# Altium PCB FPGA扩展板.PcbDoc
Units mil, origin at the board's own origin, x right, y up, seen from the top; angles counter-clockwise.
Board outline 3937.01 x 3937.01 mil, 2 copper layers (Top Layer, Bottom Layer); 128 components, 142 nets, 546 pads, 65 vias.
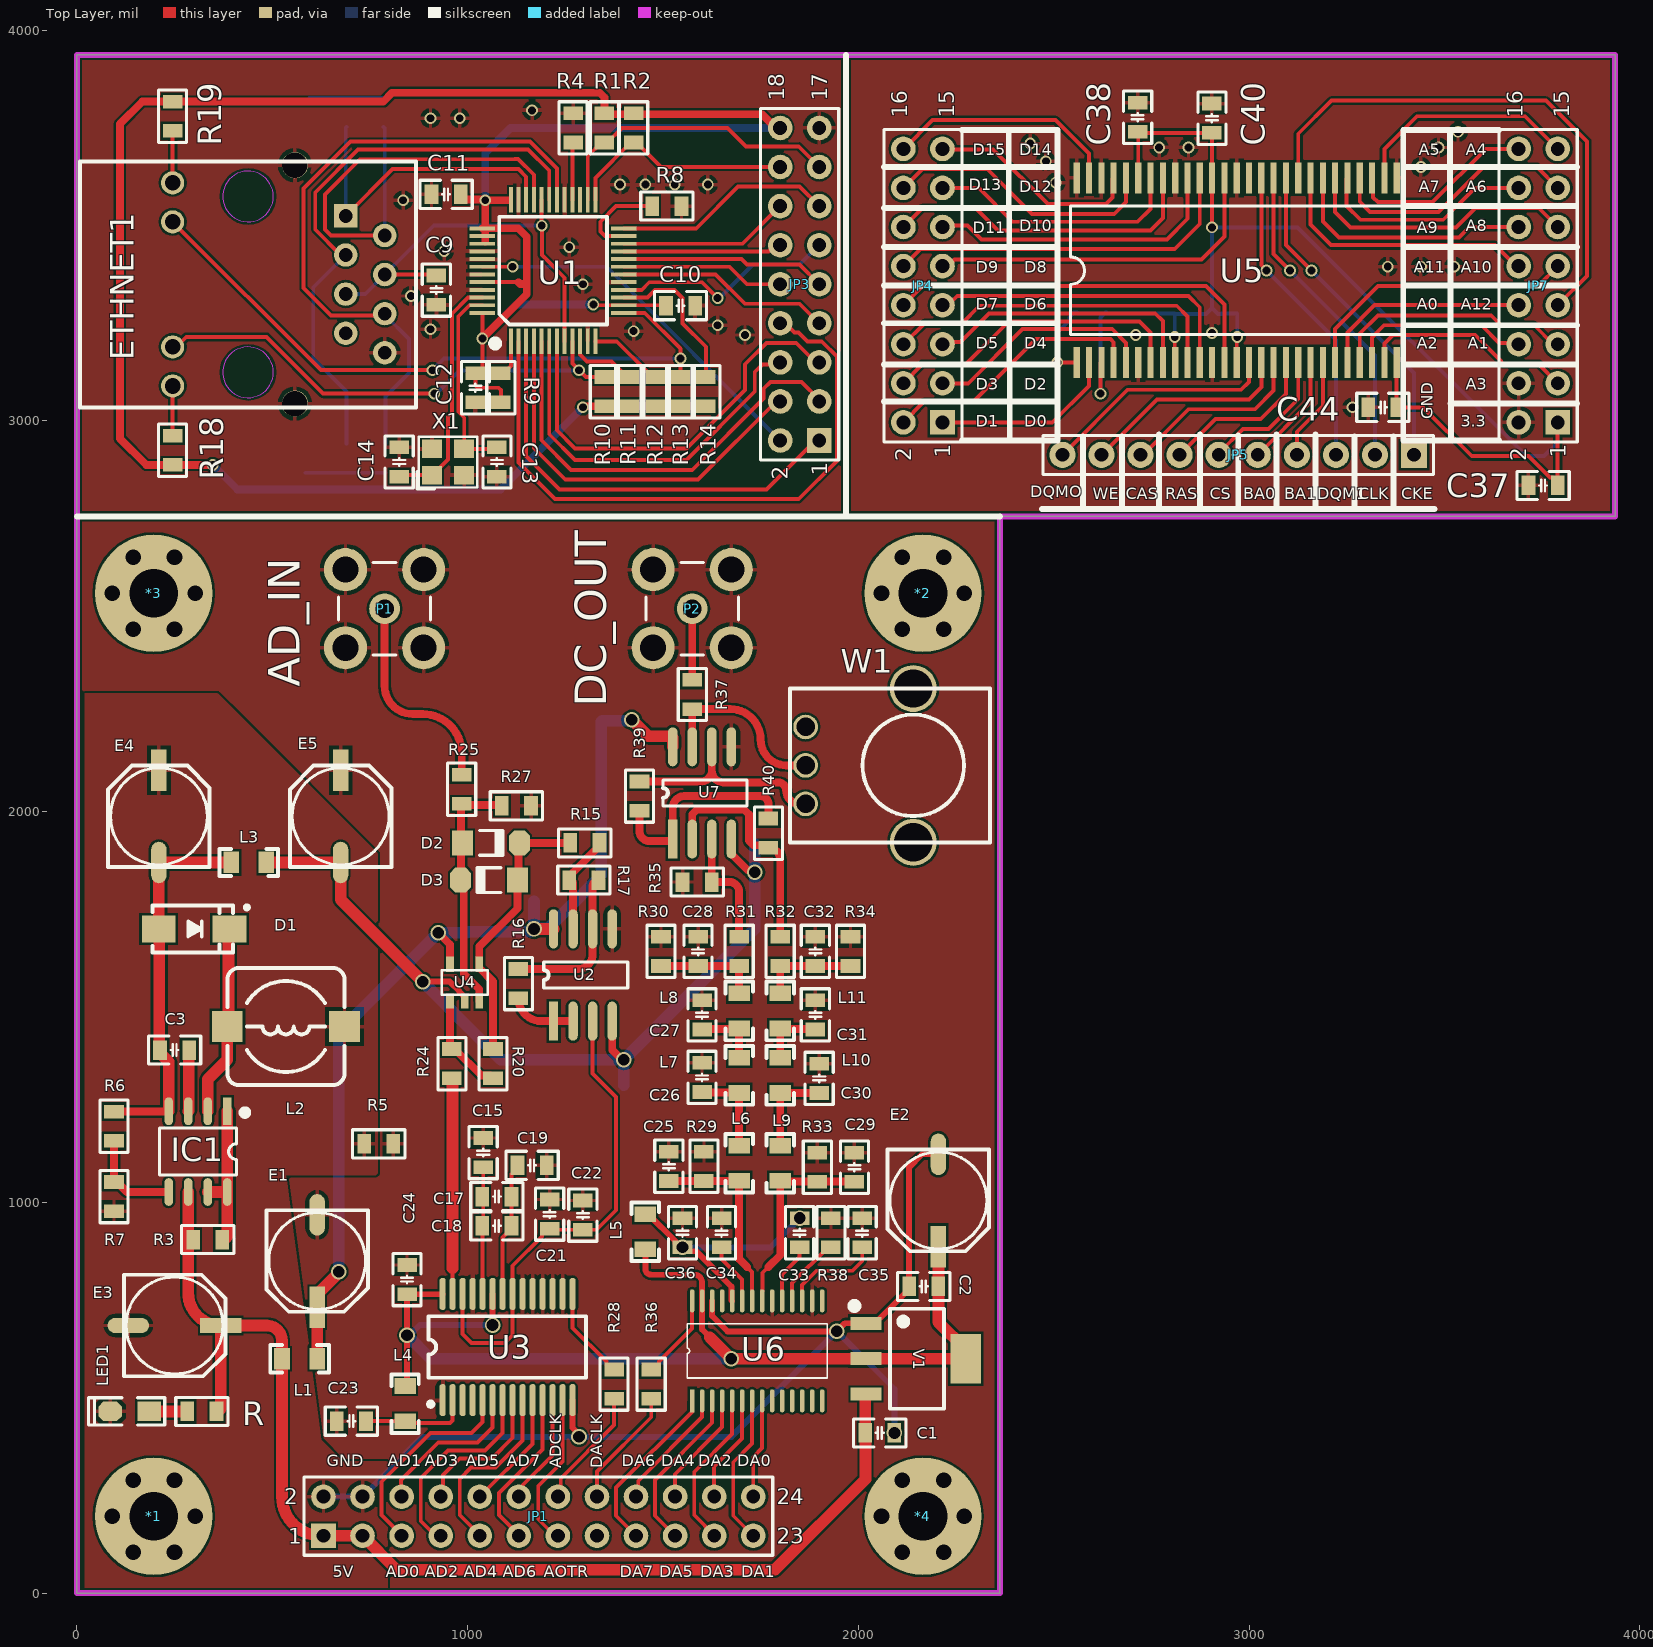
[diagram p0: Top Layer view]
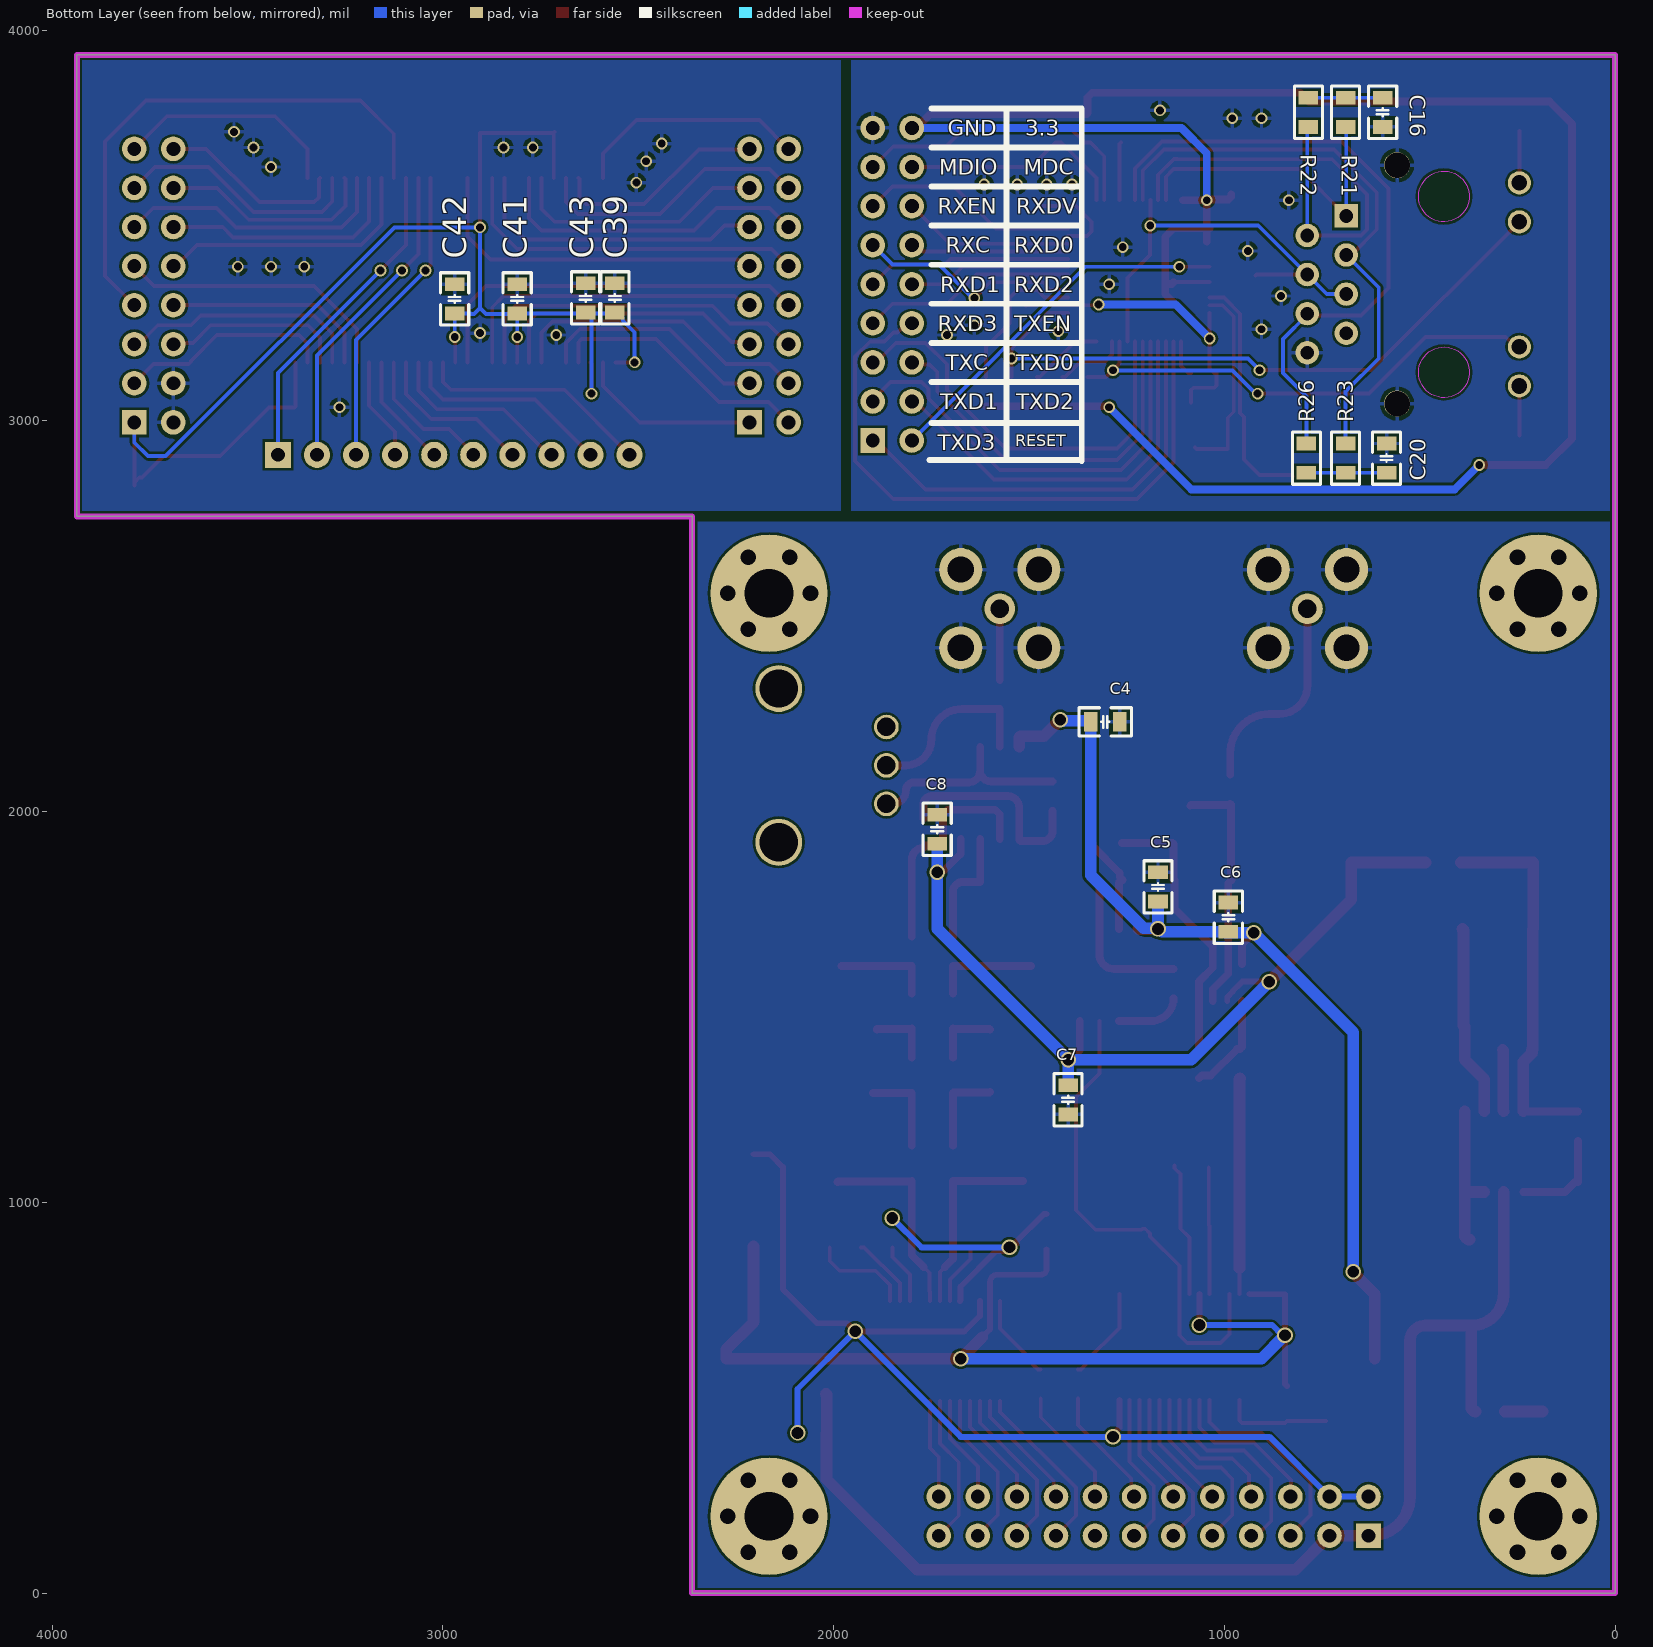
[diagram p1: Bottom Layer view, seen from below]

## Layer stack, top to bottom
Top Solder: solder mask 0.4, Solder Resist, Dk 3.5
Top Layer: signal copper 1.4
Dielectric 1: dielectric 12.6, FR-4, Dk 4.8
Bottom Layer: signal copper 1.4
Bottom Solder: solder mask 0.4, Solder Resist, Dk 3.5

## Board outline
0,0 0,3937.01 3937.01,3937.01 3937.01,2755.91 2362.2,2755.91 2362.2,0

## Design rules (kind name [scope] priority, off if disabled: settings)
Clearance [All] p1: gap=6 ignorepadtopadclearanceinfootprint=TRUE except(0: Arc-Hole Track-Hole SMDPad-Hole THPad-Hole Via-Hole Fill-Hole Poly-Hole Region-Hole Text-Hole)
DiffPairsRouting [All] p1: maxlimit=10 minlimit=10 mostfreqgap=10 toplayer_minwidth=10 toplayer_maxwidth=15 toplayer_prefwidth=15 bottomlayer_minwidth=10 bottomlayer_maxwidth=15 bottomlayer_prefwidth=15 maxuncoupledlength=500
PolygonConnect [All] p1: connectstyle=Relief reliefconductorwidth=10 reliefentries=4 polygonreliefangle="90 Angle" airgapwidth=10
RoutingVias [All] p1: holewidth=28 width=50 viastyle="Through Hole" minholewidth=28 minwidth=50 maxholewidth=28 maxwidth=50
SolderMaskExpansion [All] p1: expansion=4 istentingtop=FALSE
Width [All] p1: maxlimit=100 minlimit=6 preferedwidth=10
29 further rules are at their usual default settings.

## Components (designator, comment, footprint, x,y, rotation, side; value= is the part's Value field where it differs from the comment)
*1 "M3" "M3 125X300" 196.85,196.85 r0 top locked
*2 "M3" "M3 125X300" 2165.35,2559.06 r0 top locked
*3 "M3" "M3 125X300" 196.85,2559.06 r0 top locked
*4 "M3" "M3 125X300" 2165.35,196.85 r0 top locked
C1 "104" "C 0805_L" 2055,410 r180 top
C2 "104" "C 0805_L" 2167.6,785 r0 top
C3 "240P" "C 0805_L" 250,1390 r0 top locked
C4 "104" "C 0805_L" 1305,2230 r0 bottom
C5 "104" "C 0805_L" 1170,1807.4 r270 bottom
C6 "104" "C 0805_L" 990,1730 r270 bottom
C7 "104" "C 0805_L" 1400,1262.6 r90 bottom
C8 "104" "C 0805_L" 1735,1955 r270 bottom
C9 "104" "C 0805_L" 920,3335 r90 top locked
C10 "104" "C 0805_L" 1545,3295 r180 top locked
C11 "104" "C 0805_L" 945,3580 r0 top locked
C12 "104" "C 0805_L" 1020,3085 r90 top locked
C13 "22" "C 0805_L" 1075,2895 r270 top locked
C14 "22" "C 0805_L" 825,2895 r90 top locked
C15 "104" "C 0805_L" 1040,1127.4 r270 top
C16 "104" "C 0805_L" 595,3790 r270 bottom locked
C17 "104" "C 0805_L" 1075,1015 r180 top
C18 "10uF" "C 0805_L" 1075,940 r180 top
C19 "104" "C 0805_L" 1165,1095 r0 top
C20 "104" "C 0805_L" 585,2905 r90 bottom locked
C21 "104" "C 0805_L" 1210,970 r270 top
C22 "10uF" "C 0805_L" 1295,967.4 r270 top
C23 "104" "C 0805_L" 702.6,440 r180 top
C24 "104" "C 0805_L" 845,802.4 r270 top
C25 "18p" "C 0805_L" 1515,1092.4 r270 top
C26 "72p" "C 0805_L" 1600,1320 r270 top
C27 "72p" "C 0805_L" 1600,1480 r270 top
C28 "18p" "C 0805_L" 1590,1642.4 r270 top
C29 "18p" "C 0805_L" 1990,1090 r270 top
C30 "72p" "C 0805_L" 1900,1317.4 r270 top
C31 "72p" "C 0805_L" 1890,1480 r270 top
C32 "18p" "C 0805_L" 1890,1642.4 r270 top
C33 "104" "C 0805_L" 1850,922.4 r270 top
C34 "104" "C 0805_L" 1650,922.4 r270 top
C35 "104" "C 0805_L" 2010,922.4 r270 top
C36 "104" "C 0805_L" 1550,922.4 r90 top
C37 "10uF" "C 0805_L" 3752.6,2835 r0 top
C38 "104" "C 0805_L" 2715,3777.4 r270 top
C39 "104" "C 0805_L" 2560,3315 r270 bottom
C40 "104" "C 0805_L" 2905,3775 r270 top
C41 "104" "C 0805_L" 2810,3312.4 r270 bottom
C42 "104" "C 0805_L" 2970,3312.4 r270 bottom
C43 "104" "C 0805_L" 2635,3315 r270 bottom
C44 "104" "C 0805_L" 3342.6,3035 r0 top
D1 "SS14/1N5819" SMA 300,1700 r0 top locked
D2 "1N4148" "MINI_MELF (LL34)" 1060,1920 r0 top
D3 "1N4148" "MINI_MELF (LL34)" 1055,1825 r180 top
E1 "220uF/10V" "CM D(6.3*5.4)" 615,850 r270 top locked
E2 "220uF/10V" "CM D(6.3*5.4)" 2205,1005 r270 top
E3 "220uF/10V" "CM D(6.3*5.4)" 250,685 r0 top locked
E4 "220uF/10V" "CM D(6.3*5.4)" 210,1988.11 r90 top locked
E5 "220uF/10V" "CM D(6.3*5.4)" 675,1988.11 r90 top locked
ETHNET1 "RJ45" HR911105A 438.07,3349.61 r90 top locked
IC1 "MC34063" SOP8_N 310,1130 r270 top locked
JP1 "Header 2X11" HDR2.54-LI-2x12P 1181.1,196.85 r0 top
JP3 "Header 9X2" HDR2.54-LI-2x9P 1850,3350 r90 top locked
JP4 "Header 8X2" HDR2.54-LI-2x8P 2165.35,3346.46 r90 top
JP5 "HDR-1X10" HDR2.54-LI-10P 2972.44,2913.39 r180 top
JP7 "Header 8X2" HDR2.54-LI-2x8P 3740.16,3346.46 r90 top
L1 "22uH" "L 0805" 570,600 r0 top locked
L2 "10uH" CDRH73 535,1450 r180 top locked
L3 "22uH" "L 0805" 440,1870 r0 top locked
L4 "22uH" "L 0805" 840,485 r90 top
L5 "22uH" "L 0805" 1455,925 r90 top
L6 "470nH" "L 0805" 1695,1100 r90 top
L7 "820nH" "L 0805" 1695,1325 r90 top
L8 "470nH" "L 0805" 1695,1490 r90 top
L9 "470nH" "L 0805" 1800,1100 r270 top
L10 "820nH" "L 0805" 1800,1325 r270 top
L11 "470nH" "L 0805" 1800,1490 r270 top
LED1 "红色" "LED 0805B" 135,465 r180 top
P1 "COAX-F" MCX5.08-H5 787.4,2519.69 r90 top
P2 "COAX-F" MCX5.08-H5 1574.8,2519.69 r90 top
R "1K" "R 0805_L" 320,465 r0 top
R1 "10K" "R 0805_L" 1350,3750 r90 top locked
R2 "10K" "R 0805_L" 1425,3750 r90 top locked
R3 "1.3" "R 0805_L" 335,905 r0 top locked
R4 "6.8K" "R 0805_L" 1270,3750 r90 top locked
R5 "0" "R 0805_L" 772.6,1150 r180 top
R6 "1K" "R 0805_L" 95,1195 r270 top locked
R7 "3K" "R 0805_L" 95,1015 r90 top locked
R8 "4.7K" "R 0805_L" 1510,3550 r180 top locked
R9 "4.7K" "R 0805_L" 1085,3085 r90 top locked
R10 "10K" "R 0805_L" 1350,3075 r90 top locked
R11 "10K" "R 0805_L" 1415,3075 r90 top locked
R12 "10K" "R 0805_L" 1480,3075 r90 top locked
R13 "10K" "R 0805_L" 1545,3075 r90 top locked
R14 "10K" "R 0805_L" 1610,3075 r90 top locked
R15 "2K" "R 0805_L" 1300,1920 r0 top
R16 "20K" "R 0805_L" 1130,1560 r270 top
R17 "10K" "R 0805_L" 1297.6,1825 r0 top
R18 "510R" "R 0805_L" 245,2925 r270 top locked
R19 "510R" "R 0805_L" 245,3780 r90 top locked
R20 "2K" "R 0805_L" 1065,1355 r270 top
R21 "50R" "R 0805_L" 690,3790 r270 bottom locked
R22 "50R" "R 0805_L" 785,3790 r270 bottom locked
R23 "50R" "R 0805_L" 690,2905 r90 bottom locked
R24 "22" "R 0805_L" 960,1355 r270 top
R25 "18K" "R 0805_L" 985,2057.4 r270 top
R26 "50R" "R 0805_L" 790,2905 r90 bottom locked
R27 "2K" "R 0805_L" 1125,2015 r180 top
R28 "33" "R 0805_L" 1375,535 r270 top
R29 "100R" "R 0805_L" 1605,1092.4 r270 top
R30 "100R" "R 0805_L" 1495,1642.4 r270 top
R31 "1K" "R 0805_L" 1695,1642.4 r90 top
R32 "1K" "R 0805_L" 1800,1642.4 r90 top
R33 "100R" "R 0805_L" 1895,1090 r90 top
R34 "100R" "R 0805_L" 1980,1642.4 r90 top
R35 "1K" "R 0805_L" 1587.6,1820 r180 top
R36 "33" "R 0805_L" 1470,535 r270 top
R37 "0" "R 0805_L" 1575,2300 r270 top
R38 "2K" "R 0805_L" 1930,922.4 r90 top
R39 "1K" "R 0805_L" 1440,2040 r270 top
R40 "1K" "R 0805_L" 1770,1945 r270 top
U1 "RTL8201CP" lqfp48s 1110.92,3203.32 r90 top locked
U2 "TL072" SOIC8YG 1220,1464 r90 top
U3 "AD9280" LC-SSOP-28_208mil 1102.36,629.92 r0 top locked
U4 "AD8065" SOT23-5 955.2,1515.51 r180 top
U5 "W9825G6KH-6" TSOP54 2559.06,3149.61 r90 top
U6 "AD9708" TSOP28 1574.8,492.13 r90 top locked
U7 "AD8066" SOIC8YG 1525,1930 r90 top
V1 "AMS1117-3V3" SOT223_N 2150,600 r270 top
W1 "10K" "10K RW" 2451.61,2449.13 r270 top
X1 "25M" "OSC 3225-4P" 950,2895 r0 top locked

## Footprints (in the part's own frame and the unit in brackets; to place one, negate y for a bottom-side part, rotate by r counter-clockwise, add the part's x,y. Pads: shape width x height; smd on the part's side, far side on the other; paste and mask are expansions set on the pad)
"10K RW" [mm]
  round 3.048 hole 2.5: 0(3.4,-7.9) 0(13.4,-7.9)
  round 1.6 hole 1.2: 1(5.9,-14.9) 2(8.4,-14.9) 3(10.9,-14.9)
  silkscreen extent 3.4,-15.9 13.4,-2.9
"C 0805_L" [mil] "无极性贴片电容                                        淘宝ID:黄晶宝石"
  rect 35x50 smd: 1(-37.4,0) 2(37.4,0)
  silkscreen extent -67,-36 67,36, body extent -39,-24 39,24, height 20
CDRH73 [mm] "7.3*7.3*3.4mm（长宽高）"
  rect 2x2 smd: 1(-3.81,0) 2(3.81,0)
  silkscreen extent -3.81,-3.81 3.81,3.81, body extent -3.65,-3.65 3.65,3.65, height 3.65
"CM D(6.3*5.4)" [mm] "贴片电解电容，直径6.3mm，高5.4mm           淘宝ID:黄晶宝石"
  rect 2.7x1 smd: 1(3,0)
  oval 2.7x1 smd: 2(-3,0)
  silkscreen extent -3.3,-3.3 3.3,3.3, body extent -3.5,-3.3 3.5,3.3, height 5.4
HDR2.54-LI-2x8P [mm] "双排排针，8x2脚 淘宝ID:黄晶宝石   店铺网址:https://shop463601444.taobao.com"
  rect 1.6x1.6 hole 0.9: 1(-8.89,-1.27)
  round 1.6 hole 0.9: 2(-8.89,1.27) 3(-6.35,-1.27) 4(-6.35,1.27) 5(-3.81,-1.27) 6(-3.81,1.27) 7(-1.27,-1.27) 8(-1.27,1.27) 9(1.27,-1.27) 10(1.27,1.27) 11(3.81,-1.27) 12(3.81,1.27) 13(6.35,-1.27) 14(6.35,1.27) 15(8.89,-1.27) 16(8.89,1.27)
  silkscreen extent -10.16,-2.54 10.16,2.54, body extent -10.16,-2.54 10.16,2.54, height 8.5
HDR2.54-LI-2x9P [mm] "双排排针，9x2脚 淘宝ID:黄晶宝石   店铺网址:https://shop463601444.taobao.com"
  rect 1.6x1.6 hole 0.9: 1(-10.16,-1.27)
  round 1.6 hole 0.9: 2(-10.16,1.27) 3(-7.62,-1.27) 4(-7.62,1.27) 5(-5.08,-1.27) 6(-5.08,1.27) 7(-2.54,-1.27) 8(-2.54,1.27) 9(0,-1.27) 10(0,1.27) 11(2.54,-1.27) 12(2.54,1.27) 13(5.08,-1.27) 14(5.08,1.27) 15(7.62,-1.27) 16(7.62,1.27) 17(10.16,-1.27) 18(10.16,1.27)
  silkscreen extent -11.43,-2.54 11.43,2.54, body extent -11.43,-2.54 11.43,2.54, height 8.5
HDR2.54-LI-2x12P [mm] "双排排针，12x2脚   淘宝ID:黄晶宝石   店铺网址:https://shop463601444.taobao.com"
  rect 1.6x1.6 hole 0.9: 1(-13.97,-1.27)
  round 1.6 hole 0.9: 2(-13.97,1.27) 3(-11.43,-1.27) 4(-11.43,1.27) 5(-8.89,-1.27) 6(-8.89,1.27) 7(-6.35,-1.27) 8(-6.35,1.27) 9(-3.81,-1.27) 10(-3.81,1.27) 11(-1.27,-1.27) 12(-1.27,1.27) 13(1.27,-1.27) 14(1.27,1.27) 15(3.81,-1.27) 16(3.81,1.27) 17(6.35,-1.27) 18(6.35,1.27) 19(8.89,-1.27) 20(8.89,1.27) 21(11.43,-1.27) 22(11.43,1.27) 23(13.97,-1.27) 24(13.97,1.27)
  silkscreen extent -15.24,-2.54 15.24,2.54, body extent -15.24,-2.54 15.24,2.54, height 8.5
HDR2.54-LI-10P [mm] "排针，10脚   淘宝ID:黄晶宝石   店铺网址:https://shop463601444.taobao.com"
  rect 1.7x1.7 hole 0.9: 1(-11.43,0)
  round 1.7 hole 0.9: 2(-8.89,0) 3(-6.35,0) 4(-3.81,0) 5(-1.27,0) 6(1.27,0) 7(3.81,0) 8(6.35,0) 9(8.89,0) 10(11.43,0)
  silkscreen extent -12.7,-1.27 12.7,1.27, body extent -12.7,-1.27 12.7,1.27, height 8.5
HR911105A [mm]
  rect 1.524x1.524 hole 0.889: 1(4.45,-6.35)
  round 1.524 hole 0.889: 2(3.18,-8.89) 3(1.91,-6.35) 4(0.64,-8.89) 5(-0.63,-6.35) 6(-1.9,-8.89) 7(-3.17,-6.35) 8(-4.44,-8.89)
  round 1.5 hole 1.02: 9(6.6,4.9) 10(4.064,4.9) 11(-4.064,4.9) 12(-6.6,4.9)
  round 1.7 hole 1.65: 13(7.75,-3.048) 14(-7.75,-3.048)
  Keep-Out Layer circle w0.051: c-5.714,0 r1.65
  Keep-Out Layer circle w0.051: c5.716,0 r1.65
  silkscreen extent -8,-10.92 8,10.92
"L 0805" [mil] "小功率贴片电感        淘宝ID:黄晶宝石"
  rect 40x55 smd: 1(-45,0) 2(45,0)
  silkscreen extent -75,-35 75,35, body extent -39,-24 39,24, height 35
LC-SSOP-28_208mil [mm]
  oval 0.4x2.1 smd mask+0.051: 1(-4.225,-3.45) 2(-3.575,-3.45) 3(-2.925,-3.45) 4(-2.275,-3.45) 5(-1.625,-3.45) 6(-0.975,-3.45) 7(-0.325,-3.45) 8(0.325,-3.45) 9(0.975,-3.45) 10(1.625,-3.45) 11(2.275,-3.45) 12(2.925,-3.45) 13(3.575,-3.45) 14(4.225,-3.45) 15(4.225,3.45) 16(3.575,3.45) 17(2.925,3.45) 18(2.275,3.45) 19(1.625,3.45) 20(0.975,3.45) 21(0.325,3.45) 22(-0.325,3.45) 23(-0.975,3.45) 24(-1.625,3.45) 25(-2.275,3.45) 26(-2.925,3.45) 27(-3.575,3.45) 28(-4.225,3.45)
  silkscreen extent -5.15,-3.86 5.1,2
"LED 0805B" [mil] "蓝色0805LED                                    淘宝ID:黄晶宝石"
  rect 60x50 smd: 1(-50,0)
  oct 60x50 smd: 2(50,0)
  silkscreen extent -90,-35 105,35, body extent -39,-25 39,25, height 32
lqfp48s [mil]
  rect 65x10 smd: 1(0.42,0.29) 2(0.42,-19.39) 3(0.42,-39.08) 4(0.42,-58.76) 5(0.42,-78.45) 6(0.42,-98.13) 7(0.42,-117.82) 8(0.42,-137.5) 9(0.42,-157.19) 10(0.42,-176.87) 11(0.42,-196.56) 12(0.42,-216.24) 25(362.63,-216.24) 26(362.63,-196.56) 27(362.63,-176.87) 28(362.63,-157.19) 29(362.63,-137.5) 30(362.63,-117.82) 31(362.63,-98.13) 32(362.63,-78.45) 33(362.63,-58.76) 34(362.63,-39.08) 35(362.63,-19.39) 36(362.63,0.29)
  rect 10x65 smd: 13(73.26,-289.08) 14(92.94,-289.08) 15(112.63,-289.08) 16(132.31,-289.08) 17(152,-289.08) 18(171.68,-289.08) 19(191.37,-289.08) 20(211.05,-289.08) 21(230.74,-289.08) 22(250.42,-289.08) 23(270.11,-289.08) 24(289.79,-289.08) 37(289.79,73.13) 38(270.11,73.13) 39(250.42,73.13) 40(230.74,73.13) 41(211.05,73.13) 42(191.37,73.13) 43(171.68,73.13) 44(152,73.13) 45(132.31,73.13) 46(112.63,73.13) 47(92.94,73.13) 48(73.26,73.13)
  silkscreen extent -10,-246 319,46
"M3 125X300" [mil] "M3螺丝孔，孔125Mil，焊盘300Mil"
  round 40 hole 40: 1(-106,0) 1(-53,-91.8) 1(-53,91.8) 1(53,-91.8) 1(53,91.8) 1(106,0)
  round 300 hole 125: 1(0,0)
MCX5.08-H5 [mm]
  round 2 hole 1.2: 1(0,0)
  round 2.8 hole 1.7: 2(-2.54,-2.54) 3(2.54,-2.54) 4(2.54,2.54) 5(-2.54,2.54)
  silkscreen extent -3,-3 3,3
"MINI_MELF (LL34)" [mm] "1.5*3.4mm(直径，脚距）"
  rect 1.37x1.62 smd: 1(-1.855,0)
  oct 1.37x1.62 smd: 2(1.855,0)
  silkscreen extent -0.76,-0.8 0.78,0.8, body extent -1.7,-0.75 1.7,0.75, height 1.5
"OSC 3225-4P" [mm] "3.2*2.5*0.7mm(长宽高)                         淘宝ID:黄晶宝石"
  rect 1.3x1.2 smd: 1(-1.05,-0.85) 2(1.05,-0.85) 3(1.05,0.85) 4(-1.05,0.85)
  silkscreen extent -2.03,-1.75 1.91,1.65, body extent -1.6,-1.25 1.6,1.25, height 0.7
"R 0805_L" [mil] "1/8W贴片电阻"
  rect 35x50 smd: 1(-37.4,0) 2(37.4,0)
  silkscreen extent -67,-36 67,36, body extent -39,-25 39,25, height 20
SMA [mm] "4.5x2.6*2.2mm（长宽高，不包括引脚）"
  rect 2.2x1.75 smd: 1(-2.3,0) 2(2.3,0)
  silkscreen extent -2.7,-1.52 3.56,1.52, body extent -2.53,-1.3 2.58,1.3, height 2.15
SOIC8YG [mil]
  rect 100x24 smd: 1(0,0)
  oval 100x24 smd: 2(0,-50) 3(0,-100) 4(0,-150) 5(236,-150) 6(236,-100) 7(236,-50) 8(236,0)
  silkscreen extent 85,-190 151,25
SOP8_N [mm] "5*6*1.8mm（长宽高）封装库来自淘宝卖家 ID：黄晶宝石"
  rect 1.8x0.55 smd: 1(-2.625,1.905)
  oval 1.8x0.55 smd: 2(-2.625,0.635) 3(-2.625,-0.635) 4(-2.625,-1.905) 5(2.625,-1.905) 6(2.625,-0.635) 7(2.625,0.635) 8(2.625,1.905)
  silkscreen extent -2.69,-2.5 1.52,3.2, body extent -3,-2.5 3,2.5, height 1.9
SOT23-5 [mm]
  rect 0.5x1 smd: 1(0,0) 2(-0.95,0) 3(-1.9,0) 4(-1.9,-2.4) 5(0,-2.4)
  silkscreen extent -2.45,-2 0.55,-0.4
SOT223_N [mm] "6.4x7x1.6mm(长宽高)"
  rect 0.85x2 smd: 1(-2.3,-3.302) 2(0,-3.302) 3(2.3,-3.302)
  rect 3.2x2 smd: 2(0,3.175)
  silkscreen extent -3.63,-4.26 3.25,1.75, body extent -3.25,-3.51 3.25,3.51, height 1.65
TSOP28 [mm]
  rect 1.5x0.3 smd: 1(0,0)
  oval 1.5x0.3 smd: 2(0,-0.65) 3(0,-1.3) 4(0,-1.95) 5(0,-2.6) 6(0,-3.25) 7(0,-3.9) 8(0,-4.55) 9(0,-5.2) 10(0,-5.85) 11(0,-6.5) 12(0,-7.15) 13(0,-7.8) 14(0,-8.45) 15(6.5,-8.45) 16(6.5,-7.8) 17(6.5,-7.15) 18(6.5,-6.5) 19(6.5,-5.85) 20(6.5,-5.2) 21(6.5,-4.55) 22(6.5,-3.9) 23(6.5,-3.25) 24(6.5,-2.6) 25(6.5,-1.95) 26(6.5,-1.3) 27(6.5,-0.65) 28(6.5,0)
  silkscreen extent 1.48,-8.78 5.02,0.33
TSOP54 [mm]
  rect 2x0.4 smd: 1(0,0) 2(0,-0.8) 3(0,-1.6) 4(0,-2.4) 5(0,-3.2) 6(0,-4) 7(0,-4.8) 8(0,-5.6) 9(0,-6.4) 10(0,-7.2) 11(0,-8) 12(0,-8.8) 13(0,-9.6) 14(0,-10.4) 15(0,-11.2) 16(0,-12) 17(0,-12.8) 18(0,-13.6) 19(0,-14.4) 20(0,-15.2) 21(0,-16) 22(0,-16.8) 23(0,-17.6) 24(0,-18.4) 25(0,-19.2) 26(0,-20) 27(0,-20.8) 28(12,-20.8) 29(12,-20) 30(12,-19.2) 31(12,-18.4) 32(12,-17.6) 33(12,-16.8) 34(12,-16) 35(12,-15.2) 36(12,-14.4) 37(12,-13.6) 38(12,-12.8) 39(12,-12) 40(12,-11.2) 41(12,-10.4) 42(12,-9.6) 43(12,-8.8) 44(12,-8) 45(12,-7.2) 46(12,-6.4) 47(12,-5.6) 48(12,-4.8) 49(12,-4) 50(12,-3.2) 51(12,-2.4) 52(12,-1.6) 53(12,-0.8) 54(12,0)
  silkscreen extent 1.84,-21.2 10.16,0.4

## Part data
*1 *2 *3 *4: "铜柱孔", BOM名称=铜柱孔, 版权归属="封装库来自淘宝 ID：黄晶宝石", 学习资源=https://shop463601444.taobao.com
C1 C2 C3 C4 C5 C6 C7 C8 C9 C10 C11 C12 C13 C14 C15 C16 C17 C18 C19 C20 C21 C22 C23 C24 C25 C26 C27 C28 C29 C30 C31 C32 C33 C34 C35 C36 C37 C38 C39 C40 C41 C42 C43 C44: library part C, "贴片电容", BOM名称=无极性贴片电容, 联系售后=https://shop463601444.taobao.com, 淘宝ID="封装库来自淘宝 ID：黄晶宝石"
D1: library part SS14, "肖特基二极管", BOM名称=肖特基二极管, 封装库来自淘宝 ID：黄晶宝石=https://shop463601444.taobao.com, 属性=40V/1A
D2 D3: "开关二极管", BOM名称=高速开关二极管, 欢迎光临=https://shop463601444.taobao.com, 淘宝ID="封装库来自淘宝 ID：黄晶宝石"
E1 E2 E3 E4 E5: library part CE_SMD, "贴片电解电容", BOM名称=贴片电解电容, 版权归属="封装库来自淘宝 ID：黄晶宝石", 联系售后=https://shop463601444.taobao.com
ETHNET1: library part HR911105
IC1: "DC升降压芯片", BOM名称=DC升降压芯片, 版权归属="封装库来自淘宝 ID：黄晶宝石", 学习资源=https://shop463601444.taobao.com
JP1: library part "Header 12X2", "12*2P接插件", BOM名称=12*2P接插件, 版权归属=源创客, 学习资源=www.ooocke.com
JP3: "9*2P接插件", BOM名称=9*2P接插件, 版权归属=源创客, 学习资源=www.ooocke.com
JP4 JP7: "8*2P接插件", BOM名称=8*2P接插件, 版权归属="封装库来自淘宝 ID：黄晶宝石", 学习资源=https://shop463601444.taobao.com
JP5: library part "Header 10", "10P接插件", BOM名称=10P接插件, 版权归属=源创客, 学习资源=www.ooocke.com
L1 L3 L4 L5 L6 L7 L8 L9 L10 L11: library part L, "小功率贴片电感", BOM名称=小功率贴片电感, 联系售后=https://shop463601444.taobao.com, 淘宝ID="封装库来自淘宝 ID：黄晶宝石"
L2: library part L-CDRH, "功率屏蔽电感", BOM名称=功率屏蔽电感, 版权归属="封装库来自淘宝 ID：黄晶宝石", 联系售后=https://shop463601444.taobao.com
LED1: library part LED-SMD, "贴片LED", BOM名称=贴片LED, 版权归属="封装库来自淘宝 ID：黄晶宝石", 学习资源=https://shop463601444.taobao.com
P1 P2: "RF Coaxial PCB Connector, MCX; Thru-Hole, Right-Angle Mount Socket, Blunt Post Terminal, 50 Ohm Impedance", PackageDocument=04-Jul-1999, ComponentLink1Description="Manufacturer Link", ComponentLink1URL=http://www.amphenolrf.com/, DatasheetDocument=30-May-2003, DrillSize="Corresponds to nominal value.", LatestRevisionDate=15-Jul-2004, LatestRevisionNote="Component Replaced.", PackageReference=919-119J-51AX, PCB_Layout="Complies with manufacturer's recommendation.", Published=15-Jul-2004, Publisher="Altium Limited"
R R1 R2 R3 R4 R5 R6 R7 R8 R9 R10 R11 R12 R13 R14 R15 R16 R17 R18 R19 R20 R21 R22 R23 R24 R25 R26 R27 R28 R29 R30 R31 R32 R33 R34 R35 R36 R37 R38 R39 R40: library part R, "贴片电阻", BOM名称=贴片电阻, 版权归属="来自淘宝 ID：黄晶宝石", 联系售后=https://shop463601444.taobao.com
U1: "ETH PHY"
U5: library part IS42S16160B, "32MB SDRAM"
V1: library part AMS1117, "三端稳压芯片", BOM名称=稳压芯片, 欢迎光临淘宝店铺=https://shop463601444.taobao.com, 淘宝ID="封装库来自淘宝 ID：黄晶宝石"
W1: library part POT2, "Potentiometer"
X1: library part XTAL-4P, "4脚无源晶振", BOM名称=4脚无源晶振, 版权归属=源创客, 学习资源=www.ooocke.com

## Via types
v1: diameter 30, hole 20, Top Layer to Bottom Layer, tented both sides, 50 vias
v2: diameter 40, hole 30, Top Layer to Bottom Layer, tented both sides, 15 vias
